# KiCad board beaglebone-ai-rev-a2.kicad_pcb (continued)
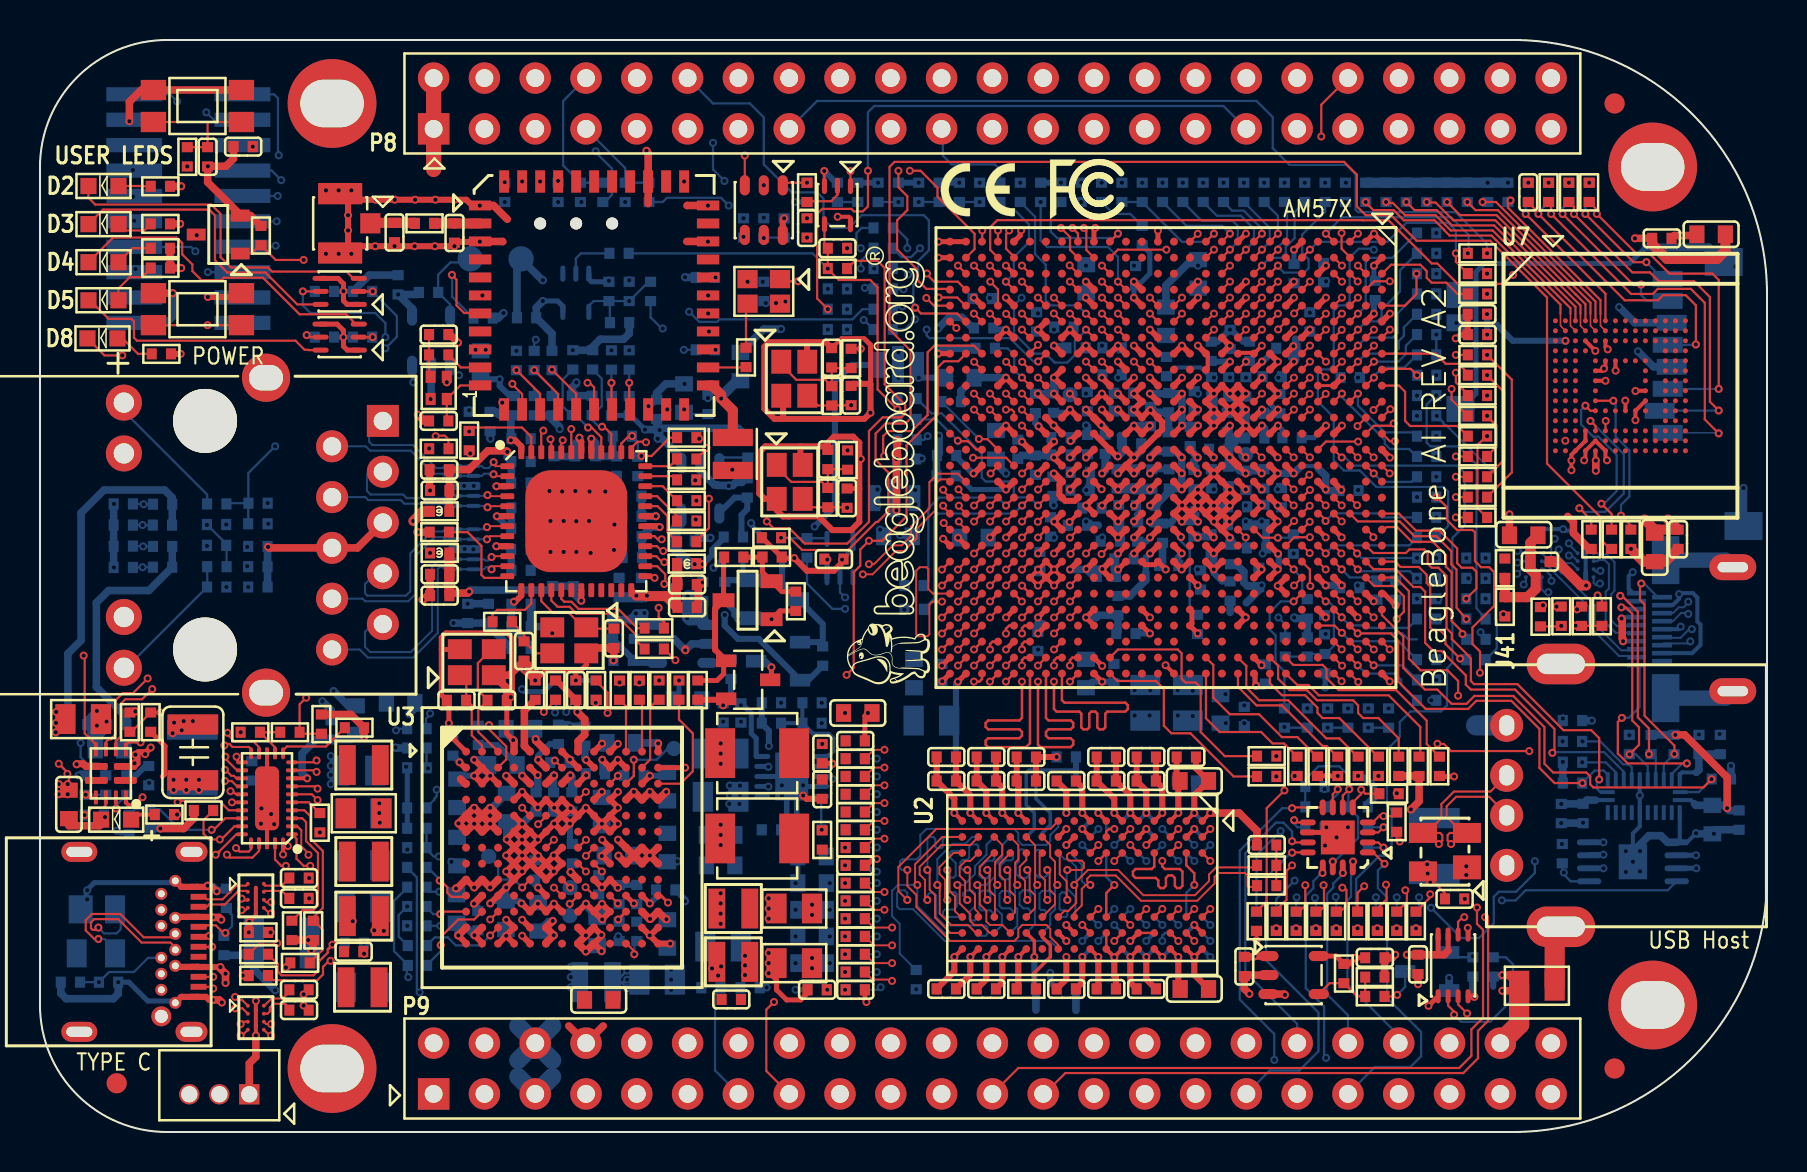
[diagram p0: board, top side]
## Routing (per net, layer and track width the routed paths; a pad name or vN(x,y) marks a point on that pad's centre or on a via; arc(x,y) is an arc through that point) (continued)
Net-(C81-Pad1):
  vias: v1(35.18,44.77)
Net-(C87-Pad1): length 1.1
  BOTTOM w0.114: C87.1 v1(36.19,44.7) 36.22,44.73 R74.1
Net-(C92-Pad1): length 1.7
  BOTTOM w0.114: U1.5 39.07,15.14 v1(39.09,15.11)
Net-(C106-Pad1): length 0.5
  TOP w0.305: v1(51.54,34.56) U4.Y13
Net-(C107-Pad1): length 0.6
  TOP w0.305: U4.Y14 v1(51.51,33.73)
Net-(C108-Pad1): length 0.6
  TOP w0.305: U4.Y15 v1(51.51,32.93)
Net-(C109-Pad1): length 0.6
  TOP w0.305: U4.Y16 v1(51.51,32.13)
Net-(C133-Pad1): length 0.6
  TOP w0.305: U3.C8 26.91,17.43 v1(27.31,17.84)
Net-(C147-Pad2): length 0.5
  TOP w0.114: U3.B7 25.75,18.58 v1(25.74,18.58)
Net-(C179-Pad1): length 0.6
  TOP w0.305: U4.T20 v1(54.71,28.93)
Net-(C204-Pad1): length 3.7
  TOP w0.305: U4.R20 v1(55.51,28.93)
  BOTTOM w0.305: 55.3,28 55.3,28.72 v1(55.51,28.93)
  BOTTOM w0.381: 55.3,28 55.3,27.61 54.5,26.81 C204.1
Net-(C214-Pad1): length 4.7
  TOP w0.305: U4.P19 57.05,29.77 v1(57.05,29.75)
  BOTTOM w0.127: v1(57.05,29.75) 57.05,29.55 57.49,29.11 57.49,26.25 C214.1
Net-(C254-Pad1): length 1.1
  TOP w0.114: U4.K19 v1(60.29,29.73)
  BOTTOM w0.114: v1(60.29,29.73) 60.29,29.27 C254.1
Net-(C260-Pad1): length 2.2
  TOP w0.114: v1(61.9,29.72) 61.14,29.72 60.73,30.13 U4.J19
  BOTTOM w0.114: v1(61.9,29.72) 62.51,29.72 C260.1
Net-(C268-Pad1): length 2.3
  TOP w0.508: J33.1 16.52,45.47 C268.1 18.72,45.47 R385.1
Net-(C273-Pad1): length 0.6
  TOP w0.305: U4.J16 v1(61.09,32.13)
Net-(C274-Pad1): length 1.6
  TOP w0.305: U4.J9 v1(61.1,38.53)
  BOTTOM w0.305: C274.1 61.16,38.53 v1(61.1,38.53)
Net-(C275-Pad1): length 0.6
  TOP w0.305: U4.J10 v1(61.1,37.73)
Net-(C276-Pad1): length 1.5
  TOP w0.305: U4.L9 v1(59.5,38.53)
  BOTTOM w0.305: C276.1 58.6,38.53 v1(59.5,38.53)
Net-(C277-Pad1): length 0.6
  TOP w0.114: U4.K9 v1(60.3,38.53)
Net-(C279-Pad1): length 0.6
  TOP w0.305: U4.K16 v1(60.29,32.13)
Net-(C335-Pad1): length 8.3
  TOP w0.381: v1(11.4,29.26) 11.46,29.21 J37.6 15.88,29.21 J37.5
  BOTTOM w0.381: C335.1 C336.1 R463.2
Net-(C337-Pad1): length 2.9
  TOP w0.114: X9.3 24.81,23.94 C337.1 24.21,24.9 R105.2
Net-(C466-Pad1): length 10.4
  TOP w0.114: v1(65.47,17.15) 65.15,16.82 U78.6 ; U78.14 v1(64.65,13.53)
  BOTTOM w0.114: R566.1 FB5.2 63.27,17.63 63.93,18.29 64.97,18.29 65.47,17.79 v1(65.47,17.15) 65.43,17.11 C466.1 65.43,16.23 65.91,15.75 65.91,14.71 R567.1 64.73,13.53 v1(64.65,13.53)
Net-(C488-Pad1): length 2.3
  TOP w0.508: R385.2 C488.1 20.73,45.43 U37.2
Net-(C498-Pad1): length 3.2
  BOTTOM w0.203: U5.10 82,17.86 82.12,17.98 82.83,17.98
  BOTTOM w0.381: FB7.1 C498.1 82.96,18.11 82.83,17.98
Net-(D1-Pad1): length 1.3
  TOP w0.203: D1.1 4.81,15.88 R594.2
Net-(D2-Pad1): length 1.6
  TOP w0.114: R593.2 5.1,47.29 5.09,47.31 D2.1
Net-(D2-Pad2): length 17
  TOP w0.114: D2.2 2.42,46.72 2.76,46.38 8.56,46.38 9.03,45.91 9.03,43.75 9.55,43.23 11.4,43.23 11.61,43.03 15.33,43.03 15.67,42.69 T2.3
Net-(D3-Pad1): length 1.9
  TOP w0.114: D3.1 3.93,45.33 4.17,45.09 5.21,45.09 R592.2
Net-(D3-Pad2): length 15.2
  TOP w0.114: D3.2 3.15,46.13 8.46,46.13 8.75,45.83 8.75,43.6 9.37,42.98 11.28,42.98 12.87,41.39 T2.6
Net-(D4-Pad1): length 1.9
  TOP w0.114: R591.2 4.62,44.2 D4.1
Net-(D4-Pad2): length 16.4
  TOP w0.114: D4.2 3.66,44.73 6.83,44.73 7.11,44.45 7.11,43.89 7.62,43.38 7.62,43.05 8.08,42.6 9.07,42.6 9.19,42.72 11.15,42.72 12.98,40.89 15.3,40.89 15.8,40.4 T1.3
Net-(D5-Pad1): length 2.6
  TOP w0.114: R590.2 5.54,43.18 5.11,42.75 4.49,42.75 3.93,42.18 D5.1
Net-(D5-Pad2): length 13.1
  TOP w0.114: T1.6 13.44,39.1 13.42,39.12 13.23,39.12 12.78,39.57 4.85,39.57 4.7,39.73 4.7,40.54 4.57,40.67 3.43,40.67 2.5,41.59 D5.2
Net-(D6-Pad2): length 3.6
  BOTTOM w0.254: R13.1 36.12,28.73 R8.2 35.15,27.94 D6.2
  BOTTOM w0.305: D6.2 34.33,27.59 R17.2
Net-(D6-Pad3): length 6.5
  BOTTOM w0.305: Q1.1 38.93,24.5 R9.2 39.14,25.41 D6.3 37.11,27.44 R13.2
Net-(D7-Pad2): length 3.8
  TOP w0.254: R91.2 37.1,27.03 D7.2 36.12,28.01 R87.2 R86.1
Net-(D7-Pad3): length 7.7
  TOP w0.254: R85.2 33.86,22.58 34.19,22.91 34.19,23.44 Q4.1 ; R86.2 34.18,28.72 D7.3
  TOP w0.305: D7.3 33.76,26.17 33.76,24.12 Q4.1
Net-(D8-Pad1): length 2
  TOP w0.114: R701.2 4.9,38.91 4.13,39.69 D8.1
Net-(D8-Pad2): length 9.6
  TOP w0.114: v1(4.11,38.84) 3.23,38.84 D8.2
  INT_L3 w0.102: v1(7.84,44.84) 4.11,41.12 v1(4.11,38.84)
Net-(J37-Pad11): length 6.8
  BOTTOM w0.114: J37.11 4.19,36.04 8.36,31.88 R144.1
Net-(J37-Pad14): length 6.9
  BOTTOM w0.114: J37.14 4.32,23.21 R138.1 8.36,27.26 R153.1
Net-(L1-Pad1):
  vias: v1(29.71,16.21) v1(30.51,16.21) v1(34.04,19.43) v1(34.04,18.92) v1(34.04,18.42)
Net-(L2-Pad1):
  vias: v1(29.7,14.61) v1(30.5,14.61) v1(34.04,15.37) v1(34.04,14.86) v1(34.04,14.35)
Net-(L16-Pad1):
  vias: v1(29.71,13.01) v1(30.51,13.01) v1(34.04,11.94) v1(34.04,11.43) v1(34.04,10.92) v1(34.04,10.41)
Net-(L17-Pad1):
  vias: v1(16.76,14.63) v1(17.21,14.63) v1(17.65,14.63) v1(21.71,14.61) v1(22.51,14.61)
Net-(L18-Pad1):
  vias: v1(16.71,10.08) v1(17.2,10.06) v1(21.71,13.03) v1(22.51,13.03)
Net-(L19-Pad1): length 1.1
  TOP w0.305: U3.M5 v1(24.11,10.61) ; U3.N5 v1(24.11,9.81)
  vias: v1(16.52,5.91) v1(16.99,5.92) v1(17.45,5.92)
Net-(L20-Pad1):
  vias: v1(17.7,18.62) v1(17.7,18.14) v1(17.72,17.65) v1(20.91,16.94) v1(21.71,16.94) v1(22.51,16.94)
Net-(L21-Pad1):
  vias: v1(28.64,8.83) v1(29.15,8.83) v1(33.6,8.18) v1(33.91,7.82) v1(34.06,8.28)
Net-(L22-Pad1):
  vias: v1(26.39,9.8) v1(26.54,8.25) v1(26.54,7.75) v1(26.54,7.24)
Net-(OSC1-Pad1): length 1.7
  TOP w0.114: OSC1.1 37.11,42.55 v1(37.91,42.55)
  BOTTOM w0.114: v1(37.91,42.55) 37.24,42.55 R588.1
Net-(OSC1-Pad3): length 2.2
  TOP w0.114: R576.1 35.31,41.35 OSC1.3
Net-(Q17-Pad3): length 2
  TOP w0.114: v1(67.87,6.86) 67.79,6.78 R658.2
  BOTTOM w0.114: Q17.3 68.27,7.26 v1(67.87,6.86)
Net-(R3-Pad2): length 3.4
  SIG_L8 w0.102: v1(35.05,20.52) 35.05,19.63 v1(36.42,18.26)
  BOTTOM w0.114: R3.2 35.18,20.52 v1(35.05,20.52) ; v1(36.42,18.26) 36.42,18.28 U1.9
Net-(R4-Pad2): length 4.8
  SIG_L8 w0.102: v1(34.16,20.52) 34.67,20.02 34.67,19.41 36.42,17.65 v1(36.42,17.27)
  BOTTOM w0.114: U1.7 36.42,17.28 v1(36.42,17.27) ; v1(34.16,20.52) 34.29,20.52 R4.2
Net-(R18-Pad2): length 5.9
  TOP w0.114: U3.C13 32.03,17.42 32.65,18.04 32.65,19.93 31.95,20.62 R18.2
Net-(R19-Pad2): length 3.9
  TOP w0.114: U3.B12 30.51,18.63 30.51,21.24 30.85,21.58 31,21.58 R19.2
Net-(R20-Pad2): length 2.6
  TOP w0.114: U3.A12 30.11,21.48 R20.2
Net-(R22-Pad2): length 3.3
  TOP w0.178: R22.2 49.72,7.24 49.72,7.95 50.52,8.75 50.52,9.35 50.12,9.75 U2.L8
Net-(R27-Pad2): length 6.8
  TOP w0.114: R27.2 25.78,21.59 v1(25.2,21.01)
  TOP w0.12: U3.E5 v1(24.11,16.21)
  INT_L3 w0.102: v1(25.2,21.01) 25.2,20.62 25.32,20.5 25.32,17.43 v1(24.11,16.21)
Net-(R80-Pad2): length 1.6
  TOP w0.114: v1(2.29,16.87) 2.42,16.73 U12.9
  BOTTOM w0.114: R81.1 v1(2.29,16.87)
Net-(R82-Pad1): length 1.3
  TOP w0.114: U10.1 37.15,47.35 37.27,47.47 v1(38.35,47.47)
Net-(R88-Pad2): length 3.3
  BOTTOM w0.178: U11.L8 50.12,14.95 50.52,15.35 50.52,15.95 49.8,16.67 R88.2
Net-(R89-Pad1): length 3.9
  TOP w0.114: U4.AF14 46.82,34.13 46.41,34.54 45.92,34.54 v1(45.9,34.57)
  BOTTOM w0.114: v1(45.9,34.57) 44.83,35.64 R89.1
Net-(R90-Pad1): length 9.8
  TOP w0.114: U4.AB17 v1(49.91,31.33)
  BOTTOM w0.114: v1(49.91,31.33) 49.5,31.73 48.9,31.73 48.7,31.93 48.7,32.33 48.49,32.53 47.29,32.53 47.09,32.73 47.09,33.93 45.09,35.94 44.58,35.94 R90.1
Net-(R98-Pad1): length 8.2
  TOP w0.114: U4.AB16 v1(49.91,32.13)
  INT_L3 w0.102: v1(49.91,32.13) 49.91,32.13 49.53,32.51 49.53,33.15 48.46,34.21 44.97,34.21 v1(44.39,34.8)
  BOTTOM w0.114: R98.1 44.21,34.62 v1(44.39,34.8)
Net-(R99-Pad1): length 6.9
  TOP w0.114: U4.AC16 v1(49.11,32.13)
  INT_L3 w0.102: v1(44.09,33.68) 44.2,33.78 45.75,33.78 46.19,33.34 48.45,33.34 48.7,33.08 48.7,32.51 49.09,32.13 v1(49.11,32.13)
  BOTTOM w0.114: R99.1 44.07,33.66 v1(44.09,33.68)
Net-(R100-Pad1): length 3.8
  TOP w0.114: U4.AE14 47.38,34.65 46.96,34.65 v1(46.95,34.66)
  BOTTOM w0.114: v1(46.95,34.66) R100.1
Net-(R101-Pad1): length 8.8
  TOP w0.114: U4.AD17 v1(48.31,31.33)
  BOTTOM w0.114: v1(48.31,31.33) 47.91,31.72 44.96,31.72 44.42,31.19 44.42,27.56 R101.1
Net-(R102-Pad1): length 10
  TOP w0.114: U4.AC17 v1(49.11,31.33)
  BOTTOM w0.114: v1(49.11,31.33) 48.7,30.92 44.89,30.92 44.72,30.75 44.72,26.68 44.2,26.16 R102.1
Net-(R103-Pad2): length 1.4
  TOP w0.114: U3.N11 29.34,9.42 29.72,9.04 v1(29.72,8.89)
  BOTTOM w0.114: v1(29.72,8.89) 29.72,9.42 R103.2
Net-(R104-Pad2): length 0.9
  TOP w0.12: U3.C10 v1(28.9,17.81)
  BOTTOM w0.381: v1(28.9,17.81) 28.91,17.83 R104.2
Net-(R107-Pad2): length 0.6
  TOP w0.12: U3.K10 v1(28.9,11.43)
Net-(R108-Pad2): length 2.7
  TOP w0.114: R108.2 29.31,21.29 U3.A11
Net-(R113-Pad2): length 0.6
  TOP w0.12: U3.H9 v1(28.1,13.03)
Net-(R121-Pad2): length 5.8
  TOP w0.12: U3.D8 v1(27.3,17.01)
  INT_L3 w0.102: v1(26.31,21.01) 26.88,20.44 26.88,17.44 v1(27.3,17.01)
  BOTTOM w0.114: v1(26.31,21.01) 26.31,21.13 R121.2
Net-(R122-Pad2): length 1.2
  BOTTOM w0.114: R122.2 34.4,23.46 U15.3
Net-(R127-Pad2): length 1.6
  BOTTOM w0.114: U16.3 33.97,33.47 34.23,33.73 R127.2
Net-(R130-Pad2): length 3.2
  TOP w0.114: v1(22.45,20.35) 22.45,20.14 23.32,19.28 23.32,18.63 U3.B3
  BOTTOM w0.114: v1(22.45,20.35) 22.43,20.32 R130.2
Net-(R145-Pad2): length 4.3
  TOP w0.102: v1(20.04,9.35) 20.04,9.73 20.09,9.78 20.09,9.8
  TOP w0.114: 20.09,9.8 20.92,10.63 21.71,10.63 U3.L2
  BOTTOM w0.114: R145.2 19.35,8.36 20.04,9.04 v1(20.04,9.35)
Net-(R146-Pad2): length 4.3
  TOP w0.114: U3.M3 v1(22.51,9.83)
  BOTTOM w0.114: v1(22.51,9.83) 22.02,9.33 20.79,9.33 20.39,9.73 19.74,9.73 19.35,9.35 R146.2
Net-(R147-Pad2): length 3.9
  TOP w0.12: U3.L3 v1(22.51,10.63)
  INT_L3 w0.102: v1(22.51,10.63) 20.33,10.63 v1(20.02,10.31)
  BOTTOM w0.114: R147.2 v1(20.02,10.31)
Net-(R148-Pad2): length 2.2
  TOP w0.114: v1(20.02,10.9) 20.14,11.02 U3.L1
  BOTTOM w0.114: v1(20.02,10.9) 19.66,10.9 19.33,11.23 R148.2
Net-(R149-Pad2): length 9.6
  TOP w0.12: U3.H8 v1(27.3,13.03)
  INT_L3 w0.102: v1(19.96,12.01) 20.35,12.01 20.55,11.81 26.62,11.81 26.88,12.07 26.88,12.61 v1(27.3,13.03)
  BOTTOM w0.114: R149.2 19.33,12.15 19.47,12.01 v1(19.96,12.01)
Net-(R150-Pad2): length 9.1
  TOP w0.12: U3.K7 25.71,12.22 v1(25.7,12.22)
  INT_L3 w0.102: v1(19.94,13.78) 19.94,13.21 20.52,12.62 25.3,12.62 v1(25.7,12.22)
  BOTTOM w0.114: R150.2 R151.2 19.33,14.14 19.68,13.78 v1(19.94,13.78)
Net-(R152-Pad1): length 2.8
  TOP w0.114: U3.K1 21.24,11.76 20.57,11.76 20.37,11.96 20.37,12.24 20.04,12.57 v1(19.99,12.57)
  BOTTOM w0.114: v1(19.99,12.57) 19.99,12.62 19.38,13.23 R152.1
Net-(R155-Pad2): length 12.4
  TOP w0.12: U3.G9 27.33,13.85 27.33,13.84 v1(27.3,13.81)
  INT_L3 w0.102: v1(19.41,18.19) 19.41,18.14 20.27,17.27 20.27,15.47 21.51,14.22 26.89,14.22 v1(27.3,13.81)
  BOTTOM w0.114: R156.2 R155.2 19.35,18.19 v1(19.41,18.19)
Net-(R157-Pad2): length 13.4
  TOP w0.12: v1(27.28,12.24) 27.29,12.24 U3.K9
  INT_L3 w0.102: v1(27.28,12.24) 27.34,12.24 27.7,12.6 27.7,13.24 27.53,13.41 23.1,13.41 22.56,13.96 21.36,13.96 19.84,15.48 v1(19.84,17.12)
  BOTTOM w0.114: v1(19.84,17.12) 19.84,16.79 19.71,16.67 19.71,16.61 19.33,16.23 R157.2
Net-(R159-Pad2): length 11.4
  TOP w0.12: U3.E6 25.31,15.79 v1(24.91,15.39)
  INT_L3 w0.102: v1(24.91,15.39) 24.5,15.8 21.13,15.8 20.55,16.38 20.55,18.75 19.3,19.99 19.3,20.68 19.51,20.88 v1(19.51,20.93)
  BOTTOM w0.114: v1(19.51,20.93) 19.51,20.88 19.3,20.68 19.3,20.37 19.3,20.36 19.3,20.2 R159.2
Net-(R174-Pad1): length 3.5
  TOP w0.114: U4.D21 v1(65.09,28.13)
  BOTTOM w0.114: v1(65.09,28.13) 65.5,27.73 66.71,27.73 R174.1 R182.1
Net-(R183-Pad1): length 7.6
  TOP w0.114: U7.A6 78.28,41.92 v1(74.3,45.91)
  BOTTOM w0.114: v1(74.29,45.91) 74.29,46.38 R183.1
Net-(R199-Pad1): length 5.4
  TOP w0.114: U4.E18 63.97,30.93 64.29,30.61 v1(64.29,30.56)
  BOTTOM w0.114: v1(64.29,30.56) 64.67,30.94 66.9,30.94 67.11,30.73 R199.1
Net-(R200-Pad1): length 5.4
  TOP w0.114: U4.E20 v1(64.29,28.93)
  BOTTOM w0.114: R200.1 68.48,29.34 64.7,29.34 v1(64.29,28.93)
Net-(R201-Pad1): length 8
  TOP w0.114: U7.J5 v1(78.68,36.57) ; R201.1 79.55,30.33 v1(79.06,30.82)
  BOTTOM w0.114: v1(79.06,30.82) 79.06,31.36 79.48,31.78 79.48,34.09 78.79,34.77 78.79,36.45 v1(78.68,36.57)
Net-(R202-Pad2): length 11
  TOP w0.114: U4.J7 v1(61.1,40.13)
  INT_L3 w0.102: v1(61.1,40.13) 61.49,40.51 63.75,40.51 63.91,40.67 63.91,41.17 64.07,41.34 65.37,41.34 65.53,41.5 65.53,46.25 v1(65.28,46.51)
Net-(R566-Pad2): length 2.2
  TOP w0.114: v1(64.9,17.15) 64.65,16.89 U78.7
  BOTTOM w0.114: v1(64.9,17.15) 64.9,16.92 R566.2
Net-(R571-Pad1): length 1.5
  TOP w0.114: v1(62.71,15.6) 62.83,15.48 U78.9
  BOTTOM w0.114: R571.1 62.89,15.24 62.71,15.42 v1(62.71,15.6)
Net-(R572-Pad2): length 1.7
  TOP w0.114: U78.3 66.93,14.98 v1(67.18,15.24)
  BOTTOM w0.114: v1(67.18,15.24) R572.2
Net-(R581-Pad2): length 4.4
  TOP w0.114: U4.C27 v1(65.89,23.33)
  BOTTOM w0.114: R581.2 68.83,21.59 68.07,22.35 68.07,22.61 67.75,22.92 66.31,22.92 v1(65.89,23.33)
Net-(R582-Pad2): length 5.7
  TOP w0.114: U4.E25 64.74,25.32 v1(65.1,24.96)
  BOTTOM w0.114: R582.2 67.94,24.54 65.52,24.54 v1(65.1,24.96)
Net-(R583-Pad2): length 8.3
  TOP w0.114: U4.W6 v1(52.3,40.93)
  BOTTOM w0.114: R583.2 49.76,45.77 49.76,43.9 50.29,43.37 50.29,41.59 50.54,41.34 51.89,41.34 v1(52.3,40.93)
Net-(R584-Pad2): length 4.8
  TOP w0.114: U4.D18 v1(65.09,30.53)
  INT_L3 w0.102: v1(65.09,30.53) 65.29,30.73 67.84,30.73 v1(68.86,31.75)
Net-(R585-Pad2): length 6
  TOP w0.114: U4.AD4 v1(48.3,42.53)
  BOTTOM w0.114: R585.2 48.01,46.2 48.12,46.09 48.76,46.09 49.45,45.39 49.45,44.5 48.69,43.74 48.69,42.91 v1(48.3,42.53)
Net-(R589-Pad2): length 9.2
  TOP w0.114: R589.2 27.81,22.54 28.38,21.97 v1(28.38,20.96)
  TOP w0.12: U3.G8 27.3,14.61 v1(27.3,14.61)
  SIG_L10 w0.102: v1(27.3,14.61) 27.31,14.61 27.69,14.99 27.69,20.26 v1(28.38,20.96)
Net-(R607-Pad1): length 7.9
  TOP w0.114: U4.A18 67.96,30.93 68.81,30.07 69.98,30.07 70.87,29.18 70.87,28.45 71.09,28.22 71.63,28.22 71.83,28.02 71.83,27.18 v1(71.32,26.67)
Net-(R609-Pad1): length 3
  TOP w0.114: U4.B15 v1(66.69,32.93)
  BOTTOM w0.114: v1(66.69,32.93) 67.12,32.51 68.58,32.51 68.83,32.77 R609.1
Net-(R610-Pad1):
  vias: v1(33.78,39.12)
Net-(R656-Pad1): length 3.8
  TOP w0.114: U40.4 64.49,7.44 R656.1 65.86,6.78 R658.1 R657.2
Net-(R661-Pad1):
  vias: v1(33.78,42.74)
Net-(R670-Pad1): length 11.8
  TOP w0.114: R670.1 59.25,18.8 58.04,20 58.04,22.23 57.78,22.48 57.28,22.48 57.09,22.67 57.09,23.94 56.9,24.13 53.91,24.13 U4.V27
Net-(R671-Pad2): length 10.6
  TOP w0.114: U4.V28 53.87,22.56 55.8,22.56 56.2,22.16 56.2,20.32 56.58,19.94 57.53,19.94 59.69,17.78 R671.2
Net-(R672-Pad2): length 10.7
  TOP w0.114: U4.G27 62.67,23.36 64.13,23.36 64.34,23.16 64.34,22.7 64.94,22.1 67.82,22.1 69.34,20.57 69.34,19.41 R672.2
Net-(R673-Pad2): length 7.6
  TOP w0.114: R673.2 66.9,18.77 64.97,20.7 64.13,20.7 63.88,20.96 63.88,21.22 63.26,21.84 62.1,21.84 61.5,22.44 U4.H28
Net-(R674-Pad2): length 7.1
  TOP w0.114: U4.K28 59.9,22.27 60.83,21.34 62.1,21.34 64.13,19.3 64.34,19.3 64.87,18.77 R674.2
Net-(R675-Pad2): length 8.6
  TOP w0.114: R675.2 63.86,18.77 62.88,19.75 62.1,19.75 60.96,20.89 59.5,20.89 58.67,21.72 58.67,23.35 U4.M27
Net-(R676-Pad1): length 9.4
  TOP w0.114: R676.1 68.99,18.77 69.03,18.81 69.03,20.25 67.44,21.84 63.95,21.84 63.43,22.35 62.88,22.35 U4.G28
Net-(R677-Pad1): length 9.6
  TOP w0.114: R677.1 67.94,19.69 66.93,20.7 66.17,20.7 65.91,20.96 65.91,21.34 65.66,21.59 63.86,21.59 63.35,22.1 62.48,22.1 61.91,22.67 61.91,23.32 U4.H27
Net-(R678-Pad1): length 8.7
  TOP w0.114: U4.K27 60.33,23.3 60.33,22.23 60.96,21.59 62.42,21.59 64.32,19.69 64.97,19.69 65.89,18.77 R678.1
Net-(R679-Pad1): length 7.6
  TOP w0.114: U4.M28 58.3,20.69 58.99,20 61.06,20 61.63,19.43 62.2,19.43 R679.1
Net-(R706-Pad2): length 1.7
  TOP w0.114: U78.4 66.65,15.48 66.99,15.83 67.15,15.83 v1(67.18,15.8) 67.67,15.8 R706.2
Net-(R707-Pad2): length 2.1
  TOP w0.114: U78.5 65.65,16.48 66.07,16.9 v1(66.07,17.12) 66.27,16.92 R707.2
Net-(TP2-Pad1): length 3.6
  TOP w0.114: v1(29.69,18.62) 29.69,17.98
  TOP w0.12: U3.C11 29.69,17.81 29.69,17.98
  BOTTOM w0.114: TP2.1 31.39,19.18 30.83,18.62 v1(29.69,18.62)
Net-(TP3-Pad1): length 1.2
  TOP w0.12: U3.K8 26.51,11.43 26.51,11.43 v1(26.49,11.41)
  BOTTOM w0.114: v1(26.49,11.41) 26.49,11.41 TP3.1
Net-(TP4-Pad1): length 0.6
  TOP w0.114: U4.Y11 v1(51.5,36.93)
Net-(TP7-Pad1): length 3.2
  TOP w0.12: U3.J5 v1(24.11,12.23)
  BOTTOM w0.114: TP7.1 22.45,13.78 22.91,13.32 22.91,12.7 22.99,12.62 23.72,12.62 v1(24.11,12.23)
Net-(TP8-Pad1): length 0.6
  TOP w0.114: U4.K14 v1(60.29,33.73)
Net-(TP11-Pad1): length 0.6
  TOP w0.12: U3.J7 26.51,12.22 v1(26.51,12.22)

## Copper pours and planes (outline as drawn; the poured copper is in the pictures)
1V8_PHY_HDMI on TOP: 50.55,33.1 50.9,33.1 51.26,32.74 51.26,31.95 51.36,31.85 51.97,31.85 52.1,31.72 52.1,31.55 51.89,31.34 51.05,31.34 50.5,31.9 50.5,33.05
1V8_PHY_HDMI on SIG_L10: 51.72,31.18 51.97,31.43 51.97,31.85 53.1,32.98 53.1,33.8 52.54,34.36 46.99,34.36 46.43,33.81 43.65,33.81 42.23,32.39 42.23,29.65 42.54,29.34 43.64,29.34 45.48,31.18
1V8_PHY_SATA on SIG_L5: 53.26,35.51 53.26,34.14 52.93,33.81 50.09,33.81 49.6,34.3 49.6,35.43 49.4,35.64 47.8,35.64 47.41,36.03 44.36,36.03 43.73,36.66 43.73,37.81 43.85,37.93 48.37,37.93 48.76,37.55 51.22,37.55
1V8_PLL on SIG_L5: 48.22,33.08 48.22,32.67 48.73,32.16 48.73,31.53 48.24,31.05 41.02,31.05 41.02,33.08
1V8_PLLA on TOP: 55.96,34.52 56.9,34.52 57.23,34.19 57.23,33.17 57.66,32.74 57.66,32.44 57.33,32.11 56.64,32.11 55.68,31.14 55.47,31.14 55.37,31.24 55.37,31.42 56.21,32.26 56.21,33.53 56.11,33.63 55.52,33.63 55.4,33.76 55.4,33.96
1V8_PLLA on BOTTOM: 55.37,33.66 55.37,33.88 55.8,34.32 56.82,34.32 57.3,33.83 57.3,32.03 57.15,31.88 56.77,31.88 55.93,31.04 55.42,31.04 55.35,31.12 55.35,31.47 55.52,31.65 55.91,31.65 56.13,31.88 56.13,32.44 56.24,32.54 56.67,32.54 56.82,32.69 56.82,33.5 56.77,33.55 55.47,33.55
1V8_PLLA on SIG_L5: 56.79,33.6 58.01,33.6 58.63,34.22 58.63,36.8 58.54,36.89 56.42,36.89 56.1,36.57 56.1,34.72 55.19,33.81 55.19,32.94 55.28,32.85 56.06,32.85 56.09,32.88 56.09,32.9
1V8_PLLA on PWR_L7: 43.62,32.52 50.79,32.52 50.99,32.73 54.19,32.73 55.21,31.71 55.94,31.71 56.65,32.42 56.65,33.87 56.76,33.97 58.86,33.97 59.07,33.77 59.07,31.99 57.72,30.65 54.29,30.65 54.06,30.87 52.54,30.87 52.31,30.65 43.85,30.65 43.47,31.03 43.47,32.32 43.65,32.5
3V3_SD on SIG_L5: 25.03,17.39 25.03,19.7 26.06,20.73 26.06,23.04 26.39,23.37 31.83,23.37 32,23.55 32,28.75 32.13,28.88 34.09,28.88 34.25,28.71 34.25,23.2 33.02,21.97 28.22,21.97 27.98,21.73 27.98,19.09 25.95,17.06 25.36,17.06
3V3_SD on PWR_L7: 32.36,35.15 41.14,43.93 71.39,43.93 72.24,44.78 72.24,47.57 72.85,48.18 77.17,48.18 77.75,47.6 77.75,44.4 75.9,42.55 54.33,42.55 52.78,41 52.78,39.22 52.68,39.12 52.04,39.12 51.82,39.34 51.82,41.33 51.21,41.94 41.96,41.94 34.32,34.29 34.32,28.24 33.32,27.25 32.69,27.25 32.36,27.58
3V3_USB on SIG_L10: 46.02,34.04 46.72,34.73 51.5,34.73 51.88,35.12 51.88,36.51 51.63,36.77 41.29,36.77 39.83,35.31 39.83,30.48 40.13,30.18 41.45,30.18 42.04,30.76 42.04,32.72 43.36,34.04
GNDPWR on TOP: 0.66,21.36 1.91,21.36 1.98,21.29 1.98,19.84 1.88,19.74 0.61,19.74 0.51,19.84 0.51,21.21
GNDPWR on GND_L2: 7.37,53.57 5.28,53.57 2.36,50.65 2.36,39.22 3.38,38.2 12.17,38.2 12.27,38.1 12.27,37.49 12.01,37.24 11.02,37.24 10.82,37.44 2.9,37.44 2.29,36.83 2.29,22.58 2.92,21.95 10.16,21.95 10.67,22.45 11.4,22.45 11.73,22.12 11.73,21.56 11.53,21.36 3.15,21.36 2.62,20.83 2.62,14.99 2.87,14.73 7.14,14.73 7.72,14.15 7.72,13.92 7.62,13.82 7.04,13.82 6.88,13.97 2.79,13.97 1.42,12.6 1.42,5.86 1.42,5.87 2.44,4.85 6.55,4.85 6.93,5.23 7.44,5.23 7.65,5.03 7.65,4.88 6.3,3.53 6.3,1.68 6.93,1.04 75.9,1.04 79.25,4.39 79.25,7.44 77.29,9.4 74.93,9.4 74.73,9.6 74.73,10.74 74.96,10.97 83.64,10.97 84.4,11.73 84.4,21.67 83.54,22.53 75.16,22.53 74.78,22.91 74.78,23.27 75.13,23.62 76.94,23.62 77.29,23.27 83.79,23.27 84.58,24.05 84.58,44.15 75.16,53.57 7.39,53.57 7.39,53.98 75.21,53.98 75.56,53.93 76.24,53.79 76.92,53.62 77.59,53.41 78.24,53.16 78.88,52.88 79.5,52.56 80.1,52.2 80.68,51.81 81.24,51.38 81.77,50.93 82.27,50.44 82.75,49.93 83.19,49.39 83.6,48.82 83.98,48.23 84.32,47.63 84.63,47 84.91,46.35 85.14,45.7 85.34,45.02 85.49,44.34 85.61,43.65 85.69,42.96 85.72,42.26 85.72,41.91 85.72,12.7 85.72,12.35 85.68,11.66 85.6,10.96 85.49,10.28 85.33,9.6 85.14,8.93 84.9,8.27 84.64,7.63 84.33,7 83.99,6.4 83.62,5.81 83.21,5.24 82.78,4.7 82.31,4.18 81.81,3.69 81.29,3.23 80.74,2.8 80.17,2.4 79.58,2.04 78.97,1.71 78.34,1.41 77.69,1.15 77.03,0.92 76.36,0.74 75.68,0.59 75.34,0.53 6.38,0.53 6.14,0.54 5.66,0.58 5.19,0.67 4.73,0.79 4.28,0.95 3.85,1.15 3.43,1.38 3.03,1.64 2.66,1.94 2.31,2.26 1.99,2.62 1.7,2.99 1.44,3.39 1.21,3.81 1.02,4.25 0.87,4.7 0.75,5.17 0.68,5.64 0.64,6.11 0.63,6.35 0.63,48.26 0.64,48.5 0.68,48.97 0.75,49.43 0.87,49.89 1.02,50.34 1.21,50.77 1.44,51.19 1.7,51.58 1.99,51.96 2.31,52.3 2.65,52.62 3.03,52.91 3.42,53.17 3.84,53.4 4.27,53.59 4.72,53.74 5.18,53.86 5.64,53.93 6.11,53.97 6.35,53.98 7.37,53.98
GNDPWR on GND_L11: 7.37,53.57 5.28,53.57 2.36,50.65 2.36,39.22 3.38,38.2 12.17,38.2 12.27,38.1 12.27,37.49 12.01,37.24 11.02,37.24 10.82,37.44 2.9,37.44 2.29,36.83 2.29,22.58 2.92,21.95 10.16,21.95 10.67,22.45 11.4,22.45 11.73,22.12 11.73,21.56 11.53,21.36 3.15,21.36 2.62,20.83 2.62,14.99 2.87,14.73 7.14,14.73 7.72,14.15 7.72,13.92 7.62,13.82 7.04,13.82 6.88,13.97 2.79,13.97 1.42,12.6 1.42,5.86 1.42,5.87 2.44,4.85 6.55,4.85 6.93,5.23 7.44,5.23 7.65,5.03 7.65,4.88 6.3,3.53 6.3,1.68 6.93,1.04 75.9,1.04 79.25,4.39 79.25,7.44 77.29,9.4 74.93,9.4 74.73,9.6 74.73,10.74 74.96,10.97 83.64,10.97 84.4,11.73 84.4,21.67 83.54,22.53 75.16,22.53 74.78,22.91 74.78,23.27 75.13,23.62 76.94,23.62 77.29,23.27 83.79,23.27 84.58,24.05 84.58,44.15 75.16,53.57 7.39,53.57 7.39,53.98 75.21,53.98 75.56,53.93 76.24,53.79 76.92,53.62 77.59,53.41 78.24,53.16 78.88,52.88 79.5,52.56 80.1,52.2 80.68,51.81 81.24,51.38 81.77,50.93 82.27,50.44 82.75,49.93 83.19,49.39 83.6,48.82 83.98,48.23 84.32,47.63 84.63,47 84.91,46.35 85.14,45.7 85.34,45.02 85.49,44.34 85.61,43.65 85.69,42.96 85.72,42.26 85.72,41.91 85.72,12.7 85.72,12.35 85.68,11.66 85.6,10.96 85.49,10.28 85.33,9.6 85.14,8.93 84.9,8.27 84.64,7.63 84.33,7 83.99,6.4 83.62,5.81 83.21,5.24 82.78,4.7 82.31,4.18 81.81,3.69 81.29,3.23 80.74,2.8 80.17,2.4 79.58,2.04 78.97,1.71 78.34,1.41 77.69,1.15 77.03,0.92 76.36,0.74 75.68,0.59 75.34,0.53 6.38,0.53 6.14,0.54 5.66,0.58 5.19,0.67 4.73,0.79 4.28,0.95 3.85,1.15 3.43,1.38 3.03,1.64 2.66,1.94 2.31,2.26 1.99,2.62 1.7,2.99 1.44,3.39 1.21,3.81 1.02,4.25 0.87,4.7 0.75,5.17 0.68,5.64 0.64,6.11 0.63,6.35 0.63,48.26 0.64,48.5 0.68,48.97 0.75,49.43 0.87,49.89 1.02,50.34 1.21,50.77 1.44,51.19 1.7,51.58 1.99,51.96 2.31,52.3 2.65,52.62 3.03,52.91 3.42,53.17 3.84,53.4 4.27,53.59 4.72,53.74 5.18,53.86 5.64,53.93 6.11,53.97 6.35,53.98 7.37,53.98
VDD_1V8 on TOP: 54.61,39.47 58.42,39.47 58.65,39.24 58.65,38.1 58.5,37.95 58.12,37.95 57.99,38.07 57.99,38.2 57.56,38.63 55.88,38.63 55.75,38.76 54.76,38.76 54.56,38.96 54.56,39.42
VDD_1V8 on TOP: 51.43,28.63 53.47,28.63 53.62,28.47 53.62,27.74 53.54,27.66 53.24,27.66 52.91,27.99 51.41,27.99 51.33,28.07 51.33,28.52
VDD_1V8 on TOP: 56.54,29.46 56.9,29.46 57.33,29.03 57.71,29.03 57.78,28.96 57.78,28.45 57.35,28.02 56.85,28.02 56.41,28.45 56.41,29.34
VDD_1V8 on BOTTOM: 50.19,31.06 50.72,31.06 51.26,31.6 52.35,31.6 52.48,31.47 52.48,31.04 52.32,30.89 51.26,30.89 51,30.63 51,30.45 50.88,30.33 50.24,30.33 50.11,30.45 50.11,30.99
VDD_1V8 on BOTTOM: 54.51,38.65 58.07,38.65 58.07,39.71 58.05,39.71 58.05,40.1 57.86,40.29 54.71,40.29 54.51,40.1
VDD_1V8 on INT_L3: 61.47,32.42 62.65,31.23 62.65,28.4 62.15,27.9 62.15,27.88 56.96,27.88 56.77,28.07 56.77,30.67 56.32,31.12 51.18,31.12 50.93,30.86 50.93,30.42 50.86,30.35 49.83,30.35 49.53,30.66 49.53,38.73 51.17,40.37 51.17,40.63 51.86,40.63 52.15,40.34 52.16,40.34 52.47,40.03 60.3,40.03 61.47,38.86
VDD_1V8 on PWR_L6: 55.63,30.96 56.3,30.29 56.3,29.65 56.73,29.22 57.19,29.22 57.57,28.84 57.57,25.36 56.06,23.85 37.71,23.85 36.8,22.95 33.21,22.95 33.07,23.09 33.07,29.67 34.37,30.96
VDD_1V8 on SIG_L8: 24.6,16.47 30.9,16.47 31.61,17.18 31.61,19.9 34.25,22.54 36.49,22.54 37.05,23.1 37.05,25.62 36.82,25.84 34.81,25.84 33.21,24.24 31.41,24.24 29.5,22.34 29.5,20.31 28.31,19.11 25.03,19.11 24.42,18.5 24.42,16.65
VDD_1V8 on SIG_L8: 61.16,28.58 62.43,28.58 62.99,29.13 67.69,29.13 68.22,29.67 69.85,29.67 71.4,28.12 72.72,28.12 72.89,27.95 72.89,26.31 73.11,26.09 73.47,26.09 73.53,26.02 73.53,25.68 72.9,25.04 71.35,25.04 70.89,25.5 70.89,26.42 69.95,27.36 69.95,27.53 69.96,27.55 69.96,27.9 69.6,28.27 68.55,28.27 67.87,27.58 63.78,27.58 62.89,26.7 61.62,26.7 60.86,27.46 60.86,28.27
VDD_3V3 on TOP: 54.56,42.75 55.17,42.75 55.27,42.65 55.27,41.22 55.14,41.1 54.69,41.1 54.51,41.28 54.51,42.7
VDD_3V3 on TOP: 63.98,31.95 63.2,32.74 62.1,32.74 61.67,32.31 61.39,32.31 61.26,32.44 61.26,32.61 61.39,32.74 61.39,33.45 61.42,33.48 62.59,33.48 63.02,33.05 65.25,33.05 65.41,32.89 65.41,32.08 65.28,31.95
VDD_3V3 on TOP: 47.52,40.26 48.69,40.26 48.79,40.16 48.79,39.52 48.69,39.42 47.5,39.42 47.42,39.5 47.42,40.16
VDD_3V3 on TOP: 72.77,28.5 72.77,28.8 72.44,29.13 72.16,29.13 71.98,29.31 71.98,29.87 72.19,30.07 72.82,30.07 72.87,30.02 72.87,29.39 73.13,29.13 73.46,29.13 73.58,29.01 73.58,28.45 73.51,28.37 72.9,28.37
VDD_3V3 on TOP: 62.23,42.77 62.74,42.77 62.81,42.7 62.81,41.88 62.89,41.81 64.31,41.81 64.39,41.73 64.39,41.5 64.16,41.28 63.83,41.28 63.5,41.61 63.04,41.61 62.66,41.22 62.31,41.22 62.13,41.4 62.13,42.67
VDD_3V3 on TOP: 63.83,27.89 65.28,27.89 65.46,27.71 65.46,27.36 65.3,27.2 64.03,27.2 63.78,27.46 63.78,27.84
VDD_3V3 on TOP: 52.15,42.77 52.71,42.77 52.86,42.62 52.86,41.25 52.78,41.17 52.27,41.17 52.1,41.35 52.1,42.72
VDD_3V3 on TOP: 57.35,42.77 57.96,42.77 58.06,42.67 58.06,41.3 57.86,41.1 57.43,41.1 57.23,41.3 57.23,42.65
VDD_3V3 on BOTTOM: 32.72,21.15 35.31,21.15 35.31,21.72 34.8,22.23 32.87,22.23 32.72,22.07
VDD_3V3 on BOTTOM: 28.21,8.51 30.37,8.51 30.48,8.39 30.48,6.6 30.35,6.48 28.21,6.48
VDD_3V3 on INT_L3: 51.74,48.95 65.63,48.95 66.61,47.97 66.61,47.21 66.36,46.95 65.39,46.95 65.27,46.82 65.27,42.43 64.27,41.44 52.39,41.44 50.99,42.84 50.99,48.2
VDD_3V3 on INT_L3: 68.12,27.43 66.29,29.26 64.92,29.26 64.74,29.08 64.74,28.73 65.28,28.19 66.19,28.19 66.98,27.41 66.98,26.44 66.37,25.83 66.37,24.39 66.06,24.08 63.17,24.08 62.51,24.74 62.51,27.64 62.92,28.04 62.92,29.92 63.25,30.25 65.43,30.25 65.79,30.61 69.49,30.61 70.26,29.85 70.26,27.61 70.08,27.43
VDD_3V3 on INT_L3: 34.92,19.1 30.8,14.97 28.23,14.97 27.75,15.46 27.75,18.1 28.96,19.3 31.22,19.3 34.49,22.58 35.03,22.58 35.23,22.38 35.23,20.32 34.92,20.02
VDD_3V3 on SIG_L5: 35.09,28.89 40.63,28.89 40.88,28.64 40.88,28.23 38.65,26 38.65,22.26 37.55,21.17 34.15,21.17 33.85,21.48 33.85,22.36 34.73,23.25 34.73,28.54
VDD_3V3 on SIG_L5: 66.85,29.85 70.21,29.85 70.51,29.54 70.51,24.97 69.98,24.43 68.63,24.43 68.07,24.99 66.65,24.99 66.27,25.37 66.27,26.67 66.08,26.86 65.14,26.86 64.92,27.08 64.92,28.78 65.18,29.03 66.04,29.03
VDD_3V3 on SIG_L5: 19.08,20.17 19.08,19.53 18.64,19.1 17.35,19.1 17.06,18.81 17.06,17.23 15.7,15.88 15.7,5.69 16.38,5 23.09,5 23.55,4.55 23.55,1.04 23.34,0.84 11.61,0.84 11.56,0.89 11.56,2.9 10.57,3.89 9.27,3.89 8.86,4.29 8.86,5.51 8.13,6.25 8.13,14.5 7.62,15.01 6.83,15.01 4.88,16.97 4.88,19.61 5.26,19.99 12.88,19.99 13.59,20.7 18.54,20.7
VDD_3V3 on SIG_L5: 31.89,38.95 33.57,37.27 33.57,34.7 33.53,34.66 28.98,34.66 28.47,35.18 23.55,35.18 22.07,33.71 22.07,28.83 21.54,28.3 19.16,28.3 18.86,28.6 18.86,40.2 19.22,40.55 22.52,40.55 23.66,41.69 32.75,41.69 32.92,41.53 32.92,40.88 31.89,39.85
VDD_3V3 on SIG_L5: 46.51,41.91 49.71,41.91 50.04,41.58 50.04,40.03 49.94,39.93 47.32,39.93 47.09,40.16 47.09,41.05 46.86,41.28 46.43,41.28 46.33,41.38 46.33,41.73
VDD_3V3 on SIG_L5: 26.03,12.6 26.37,12.27 28.4,12.27 28.7,12.57 28.7,17.25 28.42,17.53 26.87,17.53 26.03,16.69
VDD_3V3 on PWR_L6: 7.8,48.39 17.42,48.39 18.21,49.17 71.22,49.17 71.83,48.56 71.83,45.54 74.04,43.33 74.04,30.96 74.65,30.35 78.94,30.35 79.6,31.01 79.6,44.04 80.31,44.75 81.05,44.75 83.34,42.47 83.34,30.05 82.47,29.18 82.47,27.48 83.34,26.62 83.34,24.59 82.98,24.23 82.98,24.21 78.59,24.21 77.67,25.12 74.45,25.12 73.25,23.93 73.25,22.48 74.73,21.01 82.09,21.01 83.31,19.79 83.31,15.93 83.11,15.72 77.98,15.72 76.4,14.15 75.87,14.15 75.62,14.4 75.62,15.06 75.41,15.27 70.23,15.27 68.91,13.94 68.91,12.14 69.6,11.46 72.67,11.46 73.1,11.02 73.1,9.22 74.8,7.52 76.07,7.52 76.45,7.14 76.45,6.12 73.66,3.33 20.88,3.33 20.57,3.63 20.57,5.61 20.9,5.94 22.99,5.94 25.83,8.79 34.7,8.79 37.24,6.25 56.74,6.25 68.05,17.55 68.05,43.79 63.63,48.21 22.58,48.21 14.6,40.23 5.99,40.23 5.51,40.72 5.51,46.1